# KiCad board AICORS_PCB.kicad_pcb (continued)
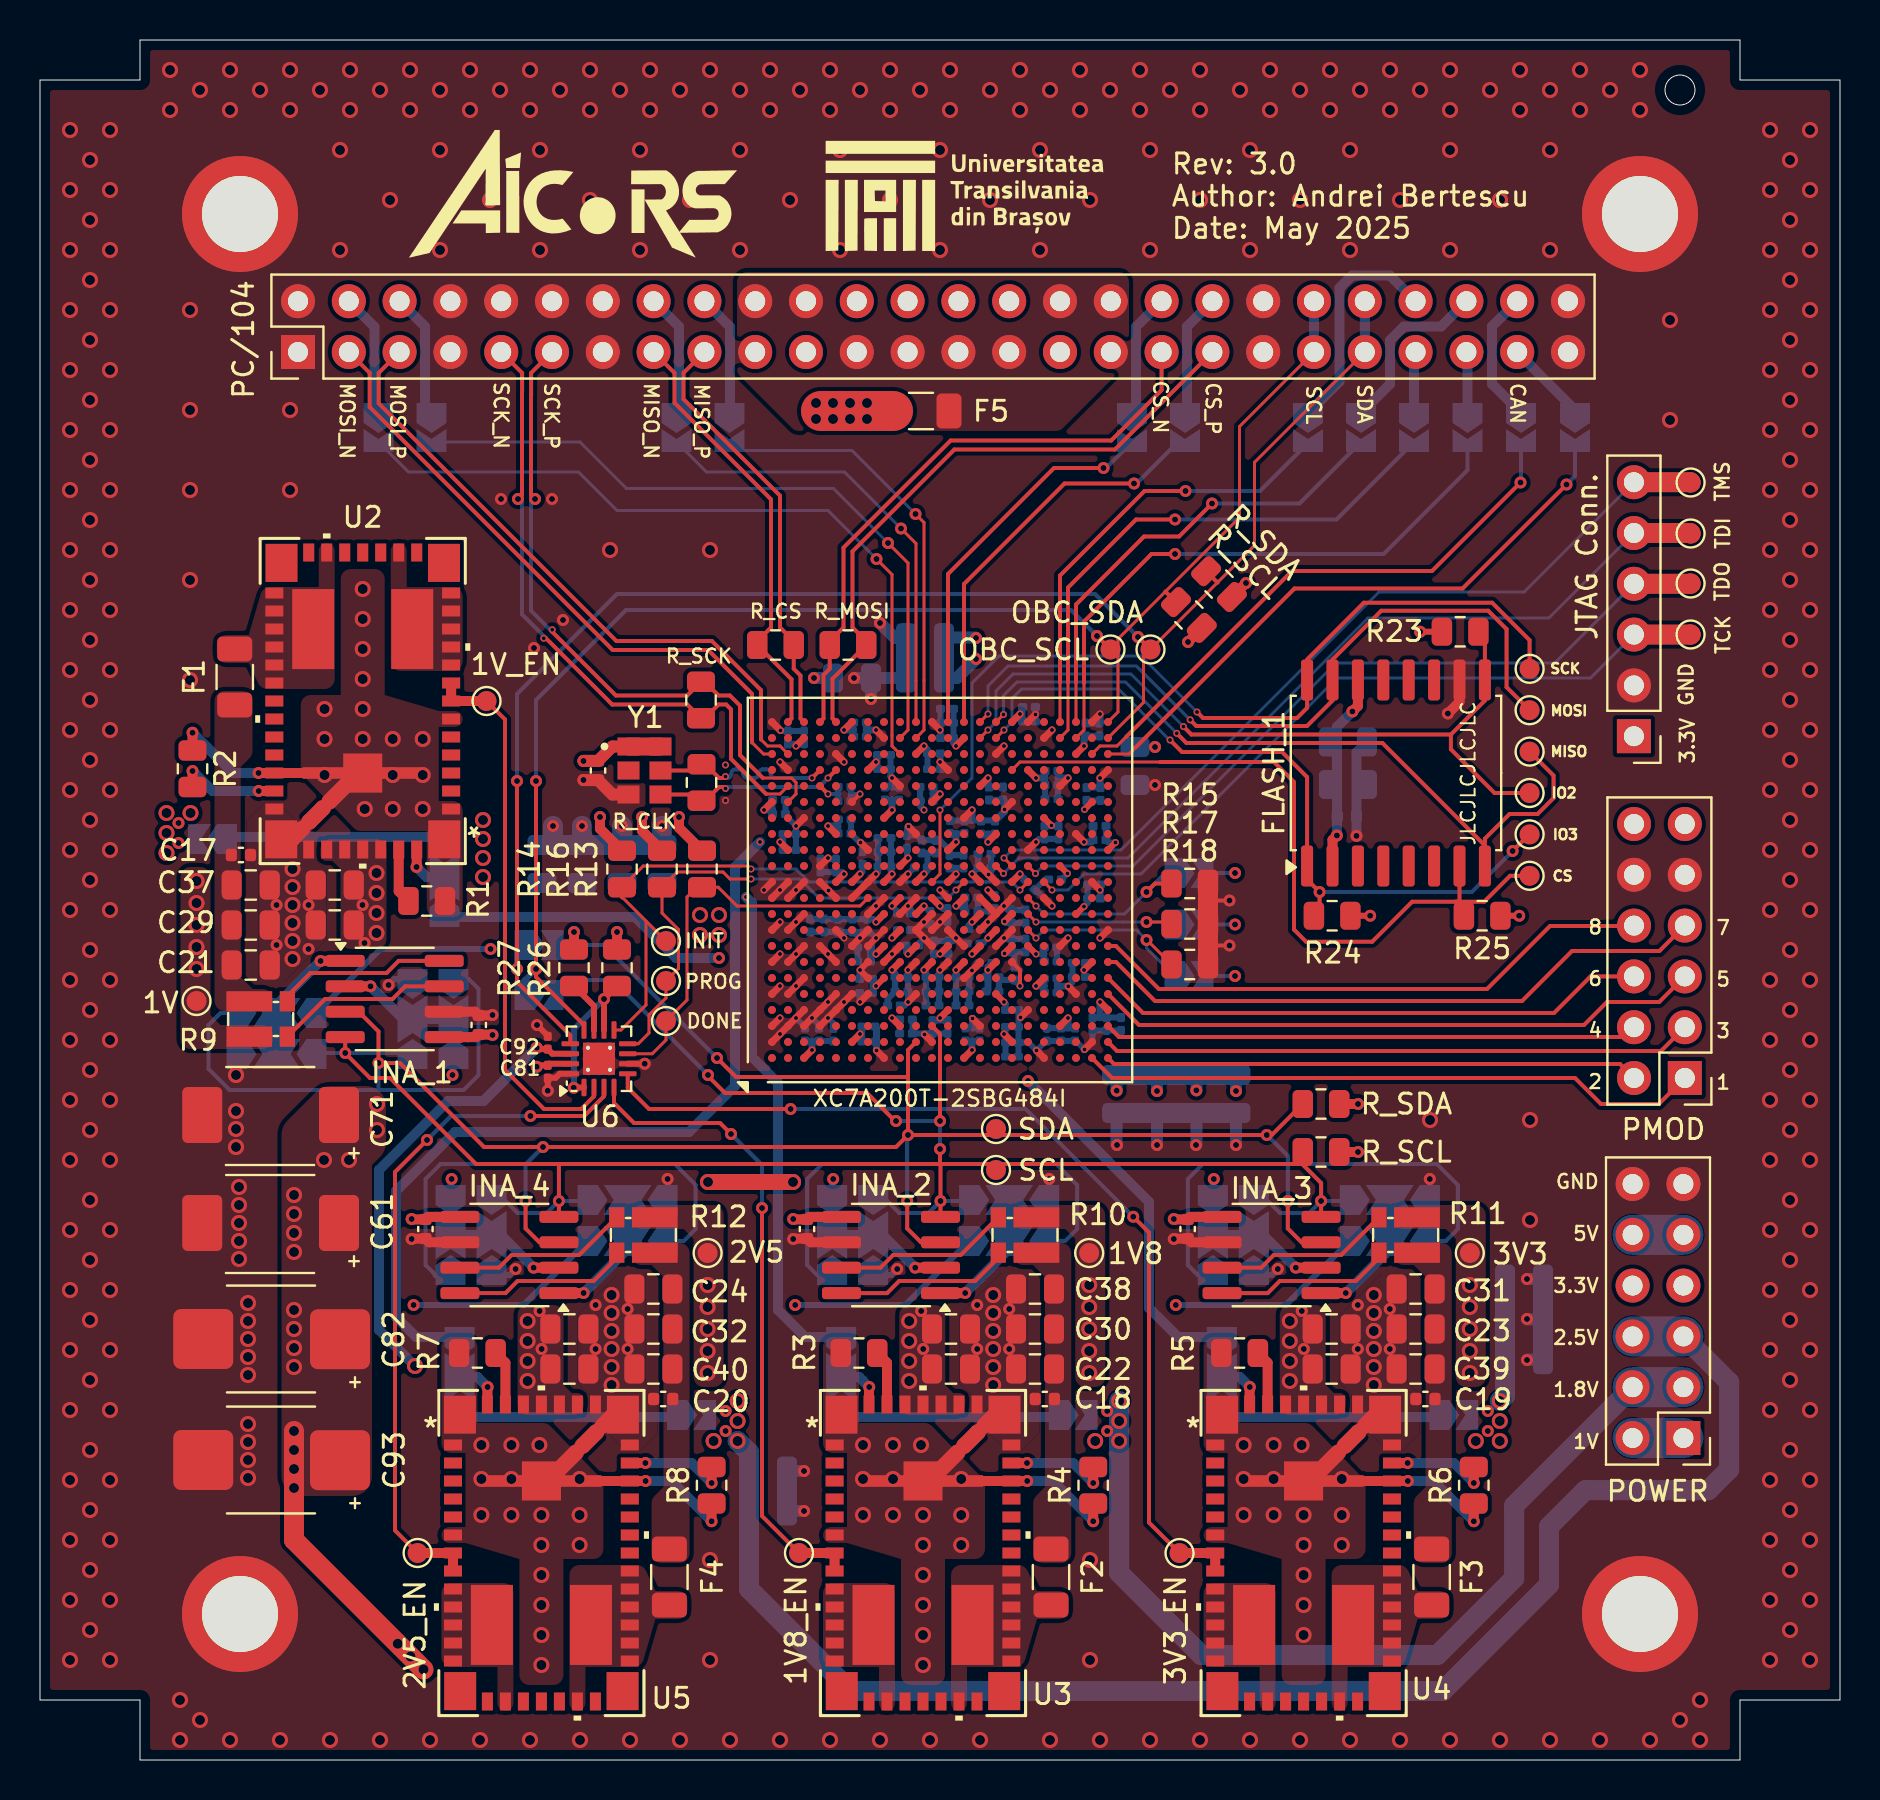
[diagram p0: board, top side]
## Routing (per net, layer and track width the routed paths; a pad name or vN(x,y) marks a point on that pad's centre or on a via; arc(x,y) is an arc through that point) (continued)
+5V: length 52.6
  Top w0.3: v1(24.84,35.61) 24.91,35.54 C92.1 25.62,35.31 U6.14
  Top w2: F5.1 39.05,67.45
  In2.Cu w1: J4.10 78.43,26.26 75.96,23.79 75.96,13.84 72.11,9.99 68.47,9.99 68.46,10
  Bottom w0.5: v1(24.84,35.61) 22.18,32.95 20.4,32.95 16.95,29.5 16.95,21.5 v3(18.75,19.7)
  Bottom w2: J4.10 J4.9
  vias: v1(16.13,42.75) v1(16.23,40.85) v1(24.98,22.45) v1(25.08,20.55) v1(44.06,22.45) v1(44.16,20.55) v1(63.09,22.45) v1(63.19,20.55) v3(16.83,44.35) v3(16.83,43.35) v3(16.83,42.35) v3(16.83,41.35) v3(24.38,21.95) v3(24.38,20.95) v3(24.38,19.95) v3(24.38,18.95) v3(38.8,67.85) v3(38.8,67.05) v3(39.65,67.85) v3(39.65,67.05) v3(40.5,67.85) v3(40.5,67.05) v3(41.35,67.85) v3(41.35,67.05) v3(43.46,21.95) v3(43.46,20.95) v3(43.46,19.95) v3(43.46,18.95) v3(62.49,21.95) v3(62.49,20.95) v3(62.49,19.95) v3(62.49,18.95)
/1V8_SENSE: length 10.9
  Bottom w0.5: JP2.1 50.83,17.15 JP6.1
  vias: v3(52.46,23.75) v3(52.46,22.65) v3(52.46,21.55) v3(52.46,20.45) v3(52.46,19.35)
/1V_SENSE: length 10.9
  Bottom w0.5: JP5.1 9.45,46.15 JP1.1
  vias: v3(7.83,43.95) v3(7.83,42.85) v3(7.83,41.75) v3(7.83,40.65) v3(7.83,39.55)
/2V5_SENSE: length 10.9
  Bottom w0.5: JP8.1 31.76,17.15 JP4.1
  vias: v3(33.38,23.75) v3(33.38,22.65) v3(33.38,21.55) v3(33.38,20.45) v3(33.38,19.35)
/3V3_SENSE: length 10.9
  Bottom w0.5: JP7.1 69.87,17.15 JP3.1
  vias: v3(71.49,23.75) v3(71.49,22.65) v3(71.49,21.55) v3(71.49,20.45) v3(71.49,19.35)
AGND_1V: length 12.5
  Top w0.5: R2.1 v1(7.63,51.36) ; v1(10.93,49.35) 10.94,49.35 U2.34 U2.45
  Top w0.8: 14.47,47.92 15.9,49.35 U2.45
  Bottom w0.5: v1(7.63,51.36) 9.64,49.35 v1(10.93,49.35)
  vias: v3(14.23,52.55) v3(14.23,51.05) v3(14.23,49.25) v3(16.14,58.55) v3(16.14,57.05) v3(16.14,55.55) v3(16.14,54.05) v3(16.14,52.55) v3(16.14,51.05) v3(16.24,47.55) v3(17.64,51.05) v3(17.64,49.25) v3(17.64,47.55) v3(19.14,51.05) v3(19.14,49.25) v3(19.14,47.55)
AGND_1V8: length 12.5
  Top w0.5: U3.45 U3.34 v1(49.36,13.95) ; R4.1 v1(52.66,11.94)
  Top w0.8: 45.88,15.38 44.45,13.95 U3.45
  Bottom w0.5: v1(49.36,13.95) 50.65,13.95 v1(52.66,11.94)
  vias: v3(41.15,15.75) v3(41.15,14.05) v3(41.15,12.25) v3(42.65,15.75) v3(42.65,14.05) v3(42.65,12.25) v3(44.05,15.75) v3(44.15,12.25) v3(44.15,10.75) v3(44.15,9.25) v3(44.15,7.75) v3(44.15,6.25) v3(44.15,4.75) v3(46.06,14.05) v3(46.06,12.25) v3(46.06,10.75)
AGND_2V5: length 12.5
  Top w0.5: U5.45 U5.34 v1(30.28,13.95) ; R8.1 v1(33.58,11.94)
  Top w0.8: U5.45 25.37,13.95 26.8,15.38
  Bottom w0.5: v1(33.58,11.94) 31.57,13.95 v1(30.28,13.95)
  vias: v3(22.07,15.75) v3(22.07,14.05) v3(22.07,12.25) v3(23.57,15.75) v3(23.57,14.05) v3(23.57,12.25) v3(24.97,15.75) v3(25.07,12.25) v3(25.07,10.75) v3(25.07,9.25) v3(25.07,7.75) v3(25.07,6.25) v3(25.07,4.75) v3(26.98,14.05) v3(26.98,12.25) v3(26.98,10.75)
AGND_3V3: length 12.5
  Top w0.5: U4.45 U4.34 v1(68.39,13.95) ; R6.1 v1(71.69,11.94)
  Top w0.8: U4.45 63.48,13.95 64.91,15.38
  Bottom w0.5: v1(68.39,13.95) 69.68,13.95 v1(71.69,11.94)
  vias: v3(60.18,15.75) v3(60.18,14.05) v3(60.18,12.25) v3(61.68,15.75) v3(61.68,14.05) v3(61.68,12.25) v3(63.08,15.75) v3(63.18,12.25) v3(63.18,10.75) v3(63.18,9.25) v3(63.18,7.75) v3(63.18,6.25) v3(65.09,14.05) v3(65.09,12.25) v3(65.09,10.75)
GND: length 227.3
  Top w0.2: 58.4,42.97 v1(59.48,42.97) ; v2(49,38.7) 49,39.5 U1.T7 ; 58.4,40.72 v1(59.48,40.72) ; U1.F17 v2(41,48.3)
  Top w0.3: U6.16 25.99,34.31 25.79,34.11 25.41,34.11 C81.2 v1(25.39,33.46) ; U1.G8 v2(41.8,41.1) U1.H9 ; U1.G7 v2(41,39.5) U1.G6 ; U6.6 v1(30.24,34.81) ; v1(24.85,36.75) 25.39,36.21 C92.2 ; U1.E9 v2(40.2,41.1) ; U1.M11 v2(45,43.5)
  Top w0.35: U1.R10 U1.P11 ; U1.R10 v2(47.4,41.9) U1.P9 ; U1.R10 v2(48.2,42.7) U1.T11 ; 46.2,39.07 v2(46.6,39.47) 47,39.88 ; U1.B7 v2(37.8,40.3) U1.C8 ; U1.L10 v2(44.2,41.9) U1.K9 v2(44.2,41.1) U1.L8 ; U1.U14 v2(49.8,45.9) ; U1.K7 v2(43.4,39.5) ; U1.P13 v2(47.43,44.27) U1.R12 ; U1.B9 v2(37.8,41.9) U1.C10 ; U1.R20 v2(48.2,50.7) ; U1.G9 v2(41,41.1) U1.F8 ; U1.U22 v2(49.77,52.27) ; U1.L2 v2(44.23,36.27) ; U1.N8 v2(45.8,41.1) U1.M9 ; U1.H11 v2(41.8,42.7) U1.G10 ; U1.J18 v2(42.6,49.1) ; U1.E20 v2(40.2,49.9) ; U1.C6 v2(37.8,38.7) U1.B5 ; U1.E11 v2(39.43,43.47) U1.D12 ; U1.B12 v2(37,43.5) U1.A11 ; v2(41.8,44.3) U1.G12 U1.F11 ; 51.79,38.31 v2(51.41,38.69) ; U1.K5 v2(43.4,37.9) ; U1.AB19 v2(53,49.1) ; U1.K15 v2(43.43,46.67) ; U1.C12 v2(37.8,43.5) U1.B11 ; U1.AA2 v2(52.23,35.52) ; U1.M7 v2(45,39.5) ; U1.A12 v2(36.2,43.5) ; U1.AA22 v2(53,52.3) ; U1.N16 v2(46.6,47.5) ; U1.A2 v2(37,36.3) U1.B3 v2(37.8,37.1) U1.C4 ; U1.L9 v2(45,41.9) U1.M10 ; U1.A3 v2(37,37.1) ; U1.L22 v2(45,51.5) ; U1.J12 v2(43.4,44.3) ; U1.R8 v2(48.2,41.1) U1.T9 ; U1.D8 v2(39.4,40.3) U1.E7 ; U1.V1 v2(49.82,35.47) ; U1.A5 v2(37,38.7) ; U1.H7 v2(42.6,40.3) U1.J8 ; U1.C3 v2(38.6,37.1) U1.D4 v2(39.4,37.9) U1.E5 ; U1.D13 v2(39.4,45.1) ; U1.W8 v2(51.4,41.1) ; U1.K11 v2(43.4,42.7) U1.J10 ; U1.C16 v2(37.8,46.7) ; U1.M19 v2(45,49.9) ; U1.D3 v2(39.4,37.1) U1.E4 v2(40.2,37.9) U1.F5 ; U1.B19 v2(37,49.9) ; U1.U4 v2(49.02,37.12) ; U1.A7 v2(37,40.3) ; U1.H1 v2(41.82,35.47) ; U1.AB9 v2(53,41.1) ; U1.W18 v2(51.4,49.1) ; 36.63,51.88 v2(37.02,51.47) ; U1.T17 v2(48.23,47.52) ; U1.A9 v2(37,41.9) ; U1.P3 v2(46.63,37.07) ; U1.G5 v2(41,37.9) ; U1.AA12 v2(53,43.5) ; U1.G14 v2(41.02,45.88) ; U1.V11 v2(50.6,42.7) ; U1.V21 v2(50.6,51.5) ; U1.H21 v2(41.8,51.5) ; U1.Y15 v2(52.2,45.9)
  Top w0.5: 40.07,25.88 38.54,25.88 C46.2 37.77,26.07 37.75,26.05 v1(37.66,26.05) ; FLASH_1.10 70.97,52.91 v1(70.39,52.32) ; v1(56.69,26.05) 56.78,26.05 56.8,26.07 C47.2 57.57,25.88 59.11,25.88 ; v1(18.58,26.05) 18.67,26.05 18.69,26.07 C48.2 19.46,25.89 INA_4.6 ; v1(22.63,37.25) 22.54,37.25 22.52,37.23 C45.2 21.75,37.41 INA_1.6
  Top w0.6: v1(27.18,49) 27.18,48.99 C52.2 28.62,48.27 Y1.3
  Top w0.8: 47.22,16.72 47.77,17.27 U3.37 ; 13.13,46.58 12.58,46.03 U2.37 ; 28.14,16.72 28.69,17.27 U5.37 ; 66.25,16.72 66.8,17.27 U4.37
  Top w1: R15.1 R18.1
  Bottom w0.2: v2(41,48.3) 40.54,48.3
  Bottom w0.3: A0_1.4 17.73,39.05 v1(17.43,38.75) ; v2(44.2,47.5) 44.01,47.69 C105.2 44.01,47.95 C152.2 ; C58.2 39.67,36.83 v2(39.4,37.1) 38.95,36.65 38.95,36.59 38.95,36.75 v2(38.6,37.1) 38.25,36.75 38.25,36.59 38.25,36.65 v2(37.8,37.1) ; C112.2 40.88,40.97 v2(41,41.1) 40.7,41.41 C79.2 ; C175.2 U1.K9 v2(44.2,41.1) ; C142.2 C83.2 47.54,44.39 v2(47.43,44.27) ; C191.2 50.25,44.02 49.73,43.5 49.8,43.5 v2(50.6,42.7) ; v2(37.02,51.47) 37.05,51.45 C106.2 ; v2(43.4,39.5) 43.4,39.49 43.4,38.42 43.4,38.42 v2(43.4,37.9) 43.23,37.72 C101.2 ; C114.2 42.52,49.18 v2(42.6,49.1) ; C168.2 C192.2 C133.2 ; v1(42.86,24.55) 42.56,24.25 A0_2.4 ; C125.2 47.73,46.97 C128.2 ; v2(45,41.9) 45.03,41.93 45.4,41.93 ; v2(51.41,38.69) 51.63,38.9 C99.2 ; 50.9,49.45 50.9,48.05 ; v2(49.8,45.9) 49.96,46.05 C129.2 ; v2(41.8,41.1) 41.49,41.41 C110.2 C111.2 ; v2(43.4,44.3) 43.73,44.62 C166.2 ; v2(49,38.7) 48.73,38.97 C69.2 48.09,39 C195.2 C139.2 ; A0_4.4 23.48,24.25 v1(23.78,24.55) ; C100.2 C160.2 ; C55.2 C133.2 ; C133.2 49.43,35.88 v2(49.82,35.47) 50.3,35.95 C60.2 51.04,35.95 C96.2 51.79,35.95 v2(52.23,35.52) 52.63,35.92 C170.2 C118.2 C56.2 ; C167.2 40.98,39.48 v2(41,39.5) ; A0_3.4 61.59,24.25 v1(61.89,24.55) ; 46.98,36.59 46.27,36.59 ; C63.2 v1(55.75,48.75) ; C130.2 43.52,42.57 v2(43.4,42.7) ; C149.2 C97.2 ; v2(51.4,41.1) 50.85,40.55 C85.2 ; C86.2 37.27,47.23 v2(37.8,46.7) C116.2 ; v2(47.4,41.9) 47.07,41.57 C102.2 ; v2(41.8,44.3) 41.91,44.41 C78.2 ; C201.2 C115.2 ; C162.2 C109.2 C54.2 ; v2(44.2,41.9) 44.32,41.78 C156.2 ; C124.2 40.98,37.92 v2(41,37.9) ; v2(44.2,41.1) 44.35,40.94 C154.2 45.65,40.94 v2(45.8,41.1) 46.07,40.82 C70.2 ; v2(44.2,41.1) 43.95,40.84 C165.2 ; C104.2 C148.2 ; C194.2 48.41,42.49 v2(48.2,42.7) 47.93,42.42 46.9,42.42 46.9,43.12 ; v2(40.2,41.1) 39.9,41.41 C121.2 ; C164.2 46.96,39.83 v2(46.6,39.47) 46.45,39.32 C140.2 ; v2(43.43,46.67) 43.35,46.6 C187.2 43.85,46.22 C68.2 44.77,45.99 C123.2 44.99,45.99 45.48,45.5 C113.2 46.17,45.24 C186.2 ; C171.2 C137.2 44.18,36.32 v2(44.23,36.27) 44.28,36.33 C136.2 ; C198.2 C108.2 ; A1_3.4 v1(69.49,29.05) ; C90.2 44.95,39.44 v2(45,39.5) ; C200.2 C107.2 ; C135.2 40.55,46.33 C189.2 40.99,45.88 v2(41.02,45.88) 41.13,45.77 C157.2 ; C103.2 C176.2 ; A1_2.4 v1(50.46,29.05) ; C119.2 C98.2 ; C161.2 C88.2 ; 41.32,51.88 41.32,51.17 ; C184.2 48.26,41.04 v2(48.2,41.1) ; A1_1.4 9.83,34.25 ; A1_4.4 v1(31.38,29.05)
  Bottom w0.35: v2(42.6,49.1) 42.6,48.64 ; C180.2 C84.2 53,51.87 v2(53,52.3) ; C138.2 41.82,36.6 v2(41.82,35.47) ; v2(51.41,38.69) 50.87,38.69 50.86,38.7 ; C148.2 48.23,47.93 v2(48.23,47.52) 48.23,47.42 C125.2 ; v2(52.2,45.9) 52.55,45.9 C151.2 C89.2 ; C88.2 53,48.64 v2(53,49.1) ; v2(46.63,37.07) 46.63,36.59 ; v2(51.4,49.1) 50.9,49.1 ; v2(41.8,51.5) 41.32,51.5 ; v2(46.6,47.5) 46.6,46.97
  Bottom w0.5: v1(65.82,46.2) C51.2 65.82,50.38 C49.2
  Bottom w0.6: C77.2 v1(74.35,24.05) ; C65.2 57.82,30.77 v1(57.8,30.75) ; v1(74.35,20) 74.37,20.02 C75.2 ; C76.2 74.37,22.03 v1(74.35,22.05) ; C74.2 v1(38.2,12.45) ; C62.2 42.73,56.12 v1(42,56.85) ; C72.2 53.83,30.77 v1(53.85,30.75) ; C66.2 C53.2 ; C66.2 v1(40.7,54.1) ; C66.2 v1(41.55,53.05) ; C73.2 v1(55.85,30.75) ; C67.2 v1(59.8,30.75) ; C64.2 v1(38.2,14.45)
  Bottom w1: C193.2 v1(29.1,46.7) ; C77.2 C75.2 ; 25.65,45.75 v1(25.65,46.7) ; C183.2 v1(27.1,46.7) ; v1(31.1,46.7) C163.2 C173.2 ; C74.2 C64.2 ; C53.2 C62.2 ; C72.2 C67.2
  vias: v1(11.83,42.75) v1(11.83,40.75) v1(13.43,42.75) v1(13.43,40.55) v1(23.05,63.05) v1(24.7,55.6) v1(25.6,63.05) v1(26.15,57) v1(27.78,22.75) v1(27.78,20.55) v1(29.38,22.55) v1(29.38,20.55) v1(46.86,22.75) v1(46.86,20.55) v1(48.46,22.55) v1(48.46,20.55) v1(65.89,22.75) v1(65.89,20.55) v1(67.49,22.55) v1(67.49,20.55) v2(34.27,49.75) v2(34.27,47.97) v3(1.5,81.5) v3(1.5,78.5) v3(1.5,75.5) v3(1.5,72.5) v3(1.5,69.5) v3(1.5,66.5) v3(1.5,63.5) v3(1.5,60.5) v3(1.5,57.5) v3(1.5,54.5) v3(1.5,51.5) v3(1.5,48.5) v3(1.5,45.5) v3(1.5,42.5) v3(1.5,39) v3(1.5,36) v3(1.5,33) v3(1.5,30) v3(1.5,26.5) v3(1.5,23.5) v3(1.5,20.5) v3(1.5,17.5) v3(1.5,14) v3(1.5,11) v3(1.5,8) v3(1.5,5) v3(2.5,80) v3(2.5,77) v3(2.5,74) v3(2.5,71) v3(2.5,68) v3(2.5,65) v3(2.5,62) v3(2.5,59) v3(2.5,56) v3(2.5,53) v3(2.5,50) v3(2.5,47) v3(2.5,44) v3(2.5,40.5) v3(2.5,37.5) v3(2.5,34.5) v3(2.5,31.5) v3(2.5,28) v3(2.5,25) v3(2.5,22) v3(2.5,19) v3(2.5,15.5) v3(2.5,12.5) v3(2.5,9.5) v3(2.5,6.5) v3(3.5,81.5) v3(3.5,78.5) v3(3.5,75.5) v3(3.5,72.5) v3(3.5,69.5) v3(3.5,66.5) v3(3.5,63.5) v3(3.5,60.5) v3(3.5,57.5) v3(3.5,54.5) v3(3.5,51.5) v3(3.5,48.5) v3(3.5,45.5) v3(3.5,42.5) v3(3.5,39) v3(3.5,36) v3(3.5,33) v3(3.5,30) v3(3.5,26.5) v3(3.5,23.5) v3(3.5,20.5) v3(3.5,17.5) v3(3.5,14) v3(3.5,11) v3(3.5,8) v3(3.5,5) v3(6.5,84.5) v3(6.5,82.5) v3(7,3) v3(7,1) v3(7.5,72.5) v3(7.5,67.5) v3(7.5,63.5) v3(7.5,59) v3(7.5,54) v3(8,83.5) v3(8,2) v3(9.5,84.5) v3(9.5,82.5) v3(9.5,1) v3(9.8,34.25) v3(9.8,32.45) v3(9.8,31.55) v3(9.8,30.65) v3(9.95,28.65) v3(9.95,27.75) v3(9.95,26.85) v3(9.95,25.95) v3(9.95,25.05) v3(10.4,22.85) v3(10.4,21.95) v3(10.4,21.05) v3(10.4,20.15) v3(10.4,19.25) v3(10.4,16.8) v3(10.4,15.9) v3(10.4,15) v3(10.4,14.1) v3(11,83.5) v3(12,1) v3(12.5,84.5) v3(12.5,82.5) v3(12.5,67.5) v3(12.5,63.5) v3(12.63,44.55) v3(12.63,43.65) v3(12.63,42.75) v3(12.63,41.85) v3(12.63,40.95) v3(12.63,40.05) v3(14,83.5) v3(14.5,1) v3(15,80.5) v3(15,75.5) v3(15.5,84.5) v3(15.5,82.5) v3(17,83.5) v3(17,1) v3(17.5,78) v3(18.5,84.5) v3(18.5,82.5) v3(19.5,1) v3(20,83.5) v3(20,80.5) v3(20,75.5) v3(21.5,84.5) v3(21.5,82.5) v3(22,1) v3(22.5,78) v3(23,83.5) v3(24.5,84.5) v3(24.5,82.5) v3(24.5,1) v3(25,80.5) v3(25,75.5) v3(26,83.5) v3(27,1) v3(27.5,84.5) v3(27.5,82.5) v3(27.5,78) v3(28.5,60.5) v3(28.58,23.25) v3(28.58,22.35) v3(28.58,21.45) v3(28.58,20.55) v3(28.58,19.65) v3(28.58,18.75) v3(29,83.5) v3(29.5,1) v3(30,80.5) v3(30,75.5) v3(30.5,84.5) v3(30.5,82.5) v3(32,83.5) v3(32,1) v3(32.5,78) v3(33.5,84.5) v3(33.5,82.5) v3(33.5,60.5) v3(33.5,10) v3(33.5,5) v3(34.5,1) v3(35,83.5) v3(35,80.5) v3(35,75.5) v3(36.5,84.5) v3(36.5,82.5) v3(37,1) v3(37.5,78) v3(38,83.5) v3(39.5,84.5) v3(39.5,82.5) v3(39.5,1) v3(40,80.5) v3(40,75.5) v3(41,83.5) v3(42,1) v3(42.5,84.5) v3(42.5,82.5) v3(42.5,78) v3(44,83.5) v3(44.5,1) v3(45,80.5) v3(45,75.5) v3(45.5,84.5) v3(45.5,82.5) v3(47,1) v3(47.5,83.5) v3(47.5,78) v3(47.66,23.25) v3(47.66,22.35) v3(47.66,21.45) v3(47.66,20.55) v3(47.66,19.65) v3(47.66,18.75) v3(49,84.5) v3(49,82.5) v3(50,80.5) v3(50,75.5) v3(50.5,83.5) v3(50.5,1) v3(52,84.5) v3(52,82.5) v3(52.5,78) v3(52.5,10) v3(52.5,5) v3(53,1) v3(53.5,83.5) v3(55,84.5) v3(55,82.5) v3(55.5,80.5) v3(55.5,75.5) v3(55.5,1) v3(56.5,83.5) v3(58,84.5) v3(58,82.5) v3(58,78) v3(58,1) v3(60,83.5) v3(60.5,80.5) v3(60.5,75.5) v3(60.5,1) v3(61.5,84.5) v3(61.5,82.5) v3(63,83.5) v3(63,78) v3(63,1) v3(64.5,84.5) v3(64.5,82.5) v3(65.5,80.5) v3(65.5,75.5) v3(65.5,1) v3(66,83.5) v3(66.69,23.25) v3(66.69,22.35) v3(66.69,21.45) v3(66.69,20.55) v3(66.69,19.65) v3(66.69,18.75) v3(67.5,84.5) v3(67.5,82.5) v3(68,78) v3(68,1) v3(69,83.5) v3(69.5,32) v3(70.5,84.5) v3(70.5,82.5) v3(70.5,80.5) v3(70.5,75.5) v3(70.5,1) v3(72.5,83.5) v3(73,78) v3(73,1) v3(74,84.5) v3(74,82.5) v3(74.5,32) v3(74.5,27) v3(75.5,83.5) v3(75.5,80.5) v3(75.5,75.5) v3(75.5,1) v3(77,84.5) v3(77,82.5) v3(78,1) v3(78.5,83.5) v3(80,84.5) v3(80,82.5) v3(80.5,1) v3(81.5,72) v3(81.5,67) v3(82,2) v3(83,3) v3(83,1) v3(86.5,81.5) v3(86.5,78.5) v3(86.5,75.5) v3(86.5,72.5) v3(86.5,69.5) v3(86.5,66.5) v3(86.5,63.5) v3(86.5,60.5) v3(86.5,57.5) v3(86.5,54.5) v3(86.5,51.5) v3(86.5,48.5) v3(86.5,45.5) v3(86.5,42.5) v3(86.5,39) v3(86.5,36) v3(86.5,33) v3(86.5,30) v3(86.5,26.5) v3(86.5,23.5) v3(86.5,20.5) v3(86.5,17.5) v3(86.5,14) v3(86.5,11) v3(86.5,8) v3(86.5,5) v3(87.5,80) v3(87.5,77) v3(87.5,74) v3(87.5,71) v3(87.5,68) v3(87.5,65) v3(87.5,62) v3(87.5,59) v3(87.5,56) v3(87.5,53) v3(87.5,50) v3(87.5,47) v3(87.5,44) v3(87.5,40.5) v3(87.5,37.5) v3(87.5,34.5) v3(87.5,31.5) v3(87.5,28) v3(87.5,25) v3(87.5,22) v3(87.5,19) v3(87.5,15.5) v3(87.5,12.5) v3(87.5,9.5) v3(87.5,6.5) v3(88.5,81.5) v3(88.5,78.5) v3(88.5,75.5) v3(88.5,72.5) v3(88.5,69.5) v3(88.5,66.5) v3(88.5,63.5) v3(88.5,60.5) v3(88.5,57.5) v3(88.5,54.5) v3(88.5,51.5) v3(88.5,48.5) v3(88.5,45.5) v3(88.5,42.5) v3(88.5,39) v3(88.5,36) v3(88.5,33) v3(88.5,30) v3(88.5,26.5) v3(88.5,23.5) v3(88.5,20.5) v3(88.5,17.5) v3(88.5,14) v3(88.5,11) v3(88.5,8) v3(88.5,5)
VCCINT: length 118.8
  Top w0.35: U1.J11 v2(42.6,42.7) ; U1.J7 v2(42.6,39.5) ; U1.N7 v2(45.8,39.5) ; U1.H8 v2(41.8,40.3) ; U1.J9 v2(42.6,41.1) ; U1.T10 v2(48.23,41.92) ; U1.M8 v2(45,40.3) ; U1.P8 v2(46.6,40.3) ; U1.L7 v2(44.2,39.5) ; U1.R7 v2(47.4,39.5) ; U1.R9 v2(47.4,41.1) ; U1.T8 v2(48.23,40.32) ; U1.K8 v2(43.4,40.3) ; U1.L11 v2(45,42.7) ; U1.H10 v2(41.8,41.9) ; U1.P10 v2(46.6,41.9) ; U1.N11 v2(45.8,42.7)
  Top w1: v3(12.7,16.45) 12.7,11 v3(19.18,4.53)
  In2.Cu w0.5: 36.74,40.81 36.02,40.1 v1(33.95,40.1)
  In2.Cu w1: J4.2 79.63,14.73 68.47,3.57 20.13,3.57 v3(17.89,5.81)
  Bottom w0.3: v2(43.4,40.3) 43.3,40.39 43.3,40.72 ; C175.1 42.88,41.38 v2(42.6,41.1) ; v2(48.23,41.92) 48.29,41.85 C155.1 C194.1 ; 45.4,42.57 45.13,42.57 v2(45,42.7) ; v2(44.2,39.5) 44.3,39.39 44.3,37.72 ; 45.8,37.72 45.8,39.49 v2(45.8,39.5) ; C132.1 C131.1 ; C101.1 42.38,38.05 C174.1 42.76,39.34 v2(42.6,39.5) ; C102.1 46.43,41.73 v2(46.6,41.9) ; C184.1 48.3,40.41 v2(48.23,40.32) ; v2(42.6,42.7) 42.88,42.41 42.88,42.32 ; 44.7,40.3 45.43,40.3 ; v2(47.4,41.1) 47.13,40.82 C70.1 ; C121.1 41.66,42.04 v2(41.8,41.9) ; C145.1 48.73,40.25 C69.1 ; C122.1 41.52,39.93 41.52,39.92
  Bottom w0.35: v2(41.8,40.3) 41.52,40.3 ; C70.1 46.99,40.69 v2(46.6,40.3) ; 47.6,39.85 47.4,39.66 v2(47.4,39.5) 47.4,38.52 47.3,38.42 ; v2(45.8,42.7) 46.26,42.7
  Bottom w0.5: NT1.2 v1(33.95,40.1)
  Bottom w2: J4.2 J4.1
  vias: v1(6.93,46.85) v1(6.93,45.85) v3(6.33,47.35) v3(6.33,46.35) v3(6.33,45.35) v3(7.53,47.35) v3(12.7,28.25) v3(12.7,27.3) v3(12.7,26.35) v3(12.7,25.4) v3(12.7,22.5) v3(12.7,21.55) v3(12.7,20.6) v3(12.7,19.65) v3(12.7,15.5) v3(12.7,14.55) v3(12.7,13.6) v3(14.2,30) v3(15.45,30) v3(16.85,32.8) v3(16.85,31.5) v3(18.52,5.17) v3(22.15,47) v3(22.15,46.05) v3(22.15,45.1) v3(22.15,44.15) v3(33,42.25) v3(33,41.25) v3(33.95,42.25) v3(33.95,41.25)
CAN_H: length 29.1
  Top w0.15: U1.AA20 53,50.7 53.85,50.7 54.3,51.15
  Top w0.2: 54.3,51.15 62.6,59.45 69.6,59.45 v1(74.03,63.88)
  Bottom w0.2: JP24.2 74.05,63.9 v1(74.03,63.88)
CAN_L: length 30.8
  Top w0.15: 54.75,50.6 54.45,50.3 U1.AB20
  Top w0.2: v1(76.32,63.77) 71.12,58.57 62.73,58.57 54.75,50.6
  Bottom w0.2: v1(76.32,63.77) 76.75,64.2 JP25.2
CONN_1: length 28
  Top w0.15: 51.4,53.88 51.4,51.5 U1.W21
  Top w0.2: v1(56.75,62.02) 54.8,62.02 51.4,58.62 51.4,53.88
  Bottom w0.2: JP21.2 64.82,62.02 v1(56.75,62.02)
CONN_2: length 29.7
  Top w0.15: U1.Y21 52.2,51.5 52.2,53.85
  Top w0.2: 52.2,53.85 52.2,56.92 55.57,60.3 v1(56.75,60.3)
  Bottom w0.2: JP23.2 71.38,64.5 67.18,60.3 v1(56.75,60.3)
CONN_3: length 23.5
  Top w0.15: U1.Y22 51.8,53.88
  Top w0.2: 51.8,53.88 51.8,57.77 55.2,61.17 56.95,61.17 v1(58.6,62.82)
  Bottom w0.2: JP22.2 62.98,62.82 v1(58.6,62.82)
CONN_4: length 22.5
  Top w0.15: U1.W22 51,53.9
  Top w0.2: v1(57.27,63.45) 55.23,63.45 51,59.22 51,53.9
  Bottom w0.2: v1(57.27,63.45) 61,63.45 63.4,65.85
CONN_5: length 20.9
  Top w0.2: v1(54.7,63.82) 51.23,63.82 46.2,58.8 U1.N22
  Bottom w0.2: JP19.2 56.9,65.9 54.82,63.82 v1(54.7,63.82)
CONN_6: length 19.3
  Top w0.2: U1.M22 45.4,59.3 50.7,64.6 v1(53.18,64.6)
  Bottom w0.15: v1(53.18,64.6) 53.3,64.6
  Bottom w0.2: 53.3,64.6 JP18.2
CONN_7: length 22.3
  Top w0.15: v1(43.77,62.3) 44.2,61.88 44.2,51.5 U1.K21
  Bottom w0.15: JP17.2 34.9,65.47 40.6,65.47 v1(43.77,62.3)
CONN_8: length 23
  Top w0.15: v1(43.05,61.57) 43.8,60.82 U1.K22
  Bottom w0.15: v1(43.05,61.57) 40.23,64.4 33.32,64.4 JP16.2
CONN_9: length 35.2
  Top w0.15: v1(42.4,60.85) 43.4,59.85 43.4,51.5 U1.J21
  Bottom w0.15: JP15.2 27,65.9 29.32,63.57 39.68,63.57 v1(42.4,60.85)
CONN_10: length 37.6
  Top w0.15: U1.J20 42.6,50.7 42.6,59.27 v1(41.82,60.05)
  Bottom w0.15: JP14.2 18.43,64.4 26.93,64.4 28.85,62.47 39.4,62.47 v1(41.82,60.05)
FPAG_DONE: length 19.6
  Top w0.15: U1.G11 41,42.7 34.85,42.7 33.91,43.64 R13.2 32.84,43.64 32.35,43.15 32.35,38 TP5.1 31.3,36 30.61,35.31 U6.7
FPAG_M0: length 9.9
  Top w0.15: U1.U11 v2(49.8,42.7)
  Top w0.2: v1(55.32,43.4) 55.75,43.82 R15.2
  Bottom w0.15: v2(49.8,42.7) 50.2,42.3 54.22,42.3 v1(55.32,43.4)
  Bottom w0.2: JP9.1 56.27,44.35 v1(55.32,43.4)
FPGA_INIT: length 31.9
  Top w0.15: v2(35.55,44.55) 35.4,44.7 30.16,44.7 R14.2 29.1,43.1 ; U1.U12 v2(49,43.5) ; TP7.1 29.1,43.15 ; U6.9 29.05,36.5 30.3,37.75 30.3,41.95
  Top w0.2: 29.1,43.15 R14.2
  Bottom w0.15: v2(49,43.5) 48.6,43.9 47.3,43.9 38.45,43.9 37.8,44.55 v2(35.55,44.55)
FPGA_M1: length 8.8
  Top w0.15: R17.2 56.48,41.9 v1(55.32,41.9) ; U1.U10 v2(49.8,41.9)
  Bottom w0.15: v2(49.8,41.9) v1(55.32,41.9) 56.6,41.9 JP10.1
FPGA_M2: length 10.6
  Top w0.15: v1(55.32,41) 55.35,41 R18.2 ; U1.U9 v2(49.8,41.1)
  Bottom w0.15: v2(49.8,41.1) 50.2,41.5 54.82,41.5 v1(55.32,41) 55.32,40.6 JP11.1
FPGA_PROGB: length 25.8
  Top w0.15: U6.8 29.91,35.81 30.45,36.35 30.45,37.25 31.3,38.1 TP8.1 31.93,39.58 31.93,41.52 31.1,42.35 R16.2 31.86,44.4 34.15,44.4 34.5,44.05 v2(35.55,44.05) ; U1.N12 v2(45.8,43.5)
  Bottom w0.15: v2(35.55,44.05) 38,44.05 38.95,43.1 45.4,43.1 v2(45.8,43.5)
GPIO_1: length 31.1
  Top w0.2: U1.AA1 53.6,34.1 76.75,34.1 78.05,32.8 80.94,32.8 J3.1
GPIO_2: length 26.7
  Top w0.2: J3.2 79,34.8 53.7,34.8 U1.AB1
GPIO_3: length 29.5
  Top w0.2: J3.3 81.05,35.45 53.85,35.45 U1.AB2
GPIO_4: length 26.7
  Top w0.2: U1.AB3 53.95,36.15 79.21,36.15 J3.4
GPIO_5: length 30.5
  Top w0.2: J3.5 80.96,37.9 78.35,37.9 77.2,36.75 54.95,36.75 U1.AB5
GPIO_6: length 27.8
  Top w0.2: J3.6 77.53,39.18 75.7,37.35 55.15,37.35 U1.AB6